# Altium PCB DriverBoard.PcbDoc (continued)
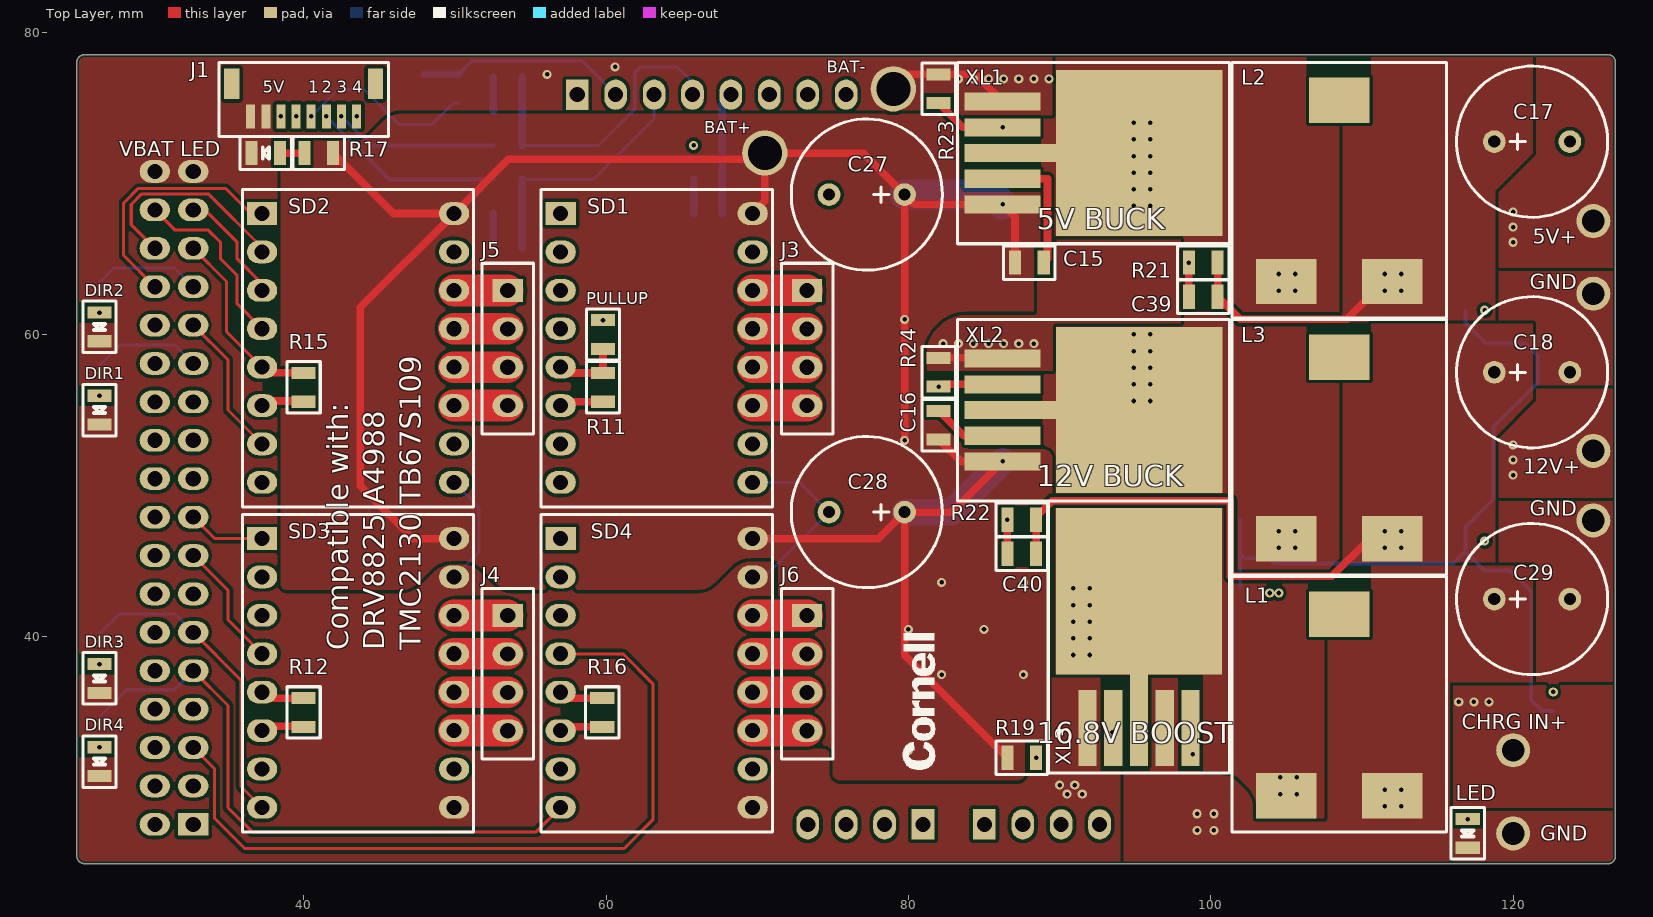
[diagram p0: Top Layer view]
## Part data (continued)
LED "VBAT LED": library part LTST-C171KRKT, "LED RED CLEAR SMD", Emitting Color=Red, Forward Current="30 mA", Forward Voltage="2.4 V", Manufacturer="Vishay Lite-On", Operating Temperature Classification=Industrial, Operating Temp Range="-55C to 85C", Package Type="Chip Led", Power Dissipation="75 W", Reverse Voltage="5 V", Supplier Part Number 1=160-1427-1-ND, Test Current (It)="20 mA", Chip Material=AlGaInP, ComponentLink1Description=http://optoelectronics.liteon.com/upload/download/DS22-2000-109/LTST-C171KRKT.pdf?src-supplier=Digi-Key, ComponentLink1URL=http://optoelectronics.liteon.com/upload/download/DS22-2000-109/LTST-C171KRKT.pdf?src-supplier=Digi-Key, ComponentLink2Description=http://www.mouser.com/ds/2/239/Lite-On-LTST-C171KRKT-187201.pdf?src-supplier=Mouser, ComponentLink2URL=http://www.mouser.com/ds/2/239/Lite-On-LTST-C171KRKT-187201.pdf?src-supplier=Mouser, ComponentLink3Description=http://uk.rs-online.com/webdocs/0dc0/0900766b80dc0550.pdf?src-supplier=RSComponents, ComponentLink3URL=http://uk.rs-online.com/webdocs/0dc0/0900766b80dc0550.pdf?src-supplier=RSComponents, ComponentLink4Description=http://www1.futureelectronics.com/doc/LITE%20ON/LITE-ON%20LTST-C171KRKT.pdf?src-supplier=Future+Electronics, ComponentLink4URL=http://www1.futureelectronics.com/doc/LITE%20ON/LITE-ON%20LTST-C171KRKT.pdf?src-supplier=Future+Electronics, DELETED=Compliant, Dominant Wave Length="631 nm", High Brightness=Yes, Lens Dimensions="1.4x1.25x0.5 mm", Luminous Intensity=54mcd, Lum Intensity=54mcd, Main Category="Chip LED", Manufacturer Part Number=LTST-C171KRKT, Mounting="Surface Mount", Number of  Elements=1, Packaging="Tape and Reel", Peak Wavelength="639 nm", Pin Count=2, Pricing 1="1=0.29, 10=0.215, 100=0.1016, 500=0.0677, 1000=0.0531 (USD)", Product Depth (mm)="1.25 mm", Product Height (mm)="0.8 mm", Product Length (mm)="2 mm", Rad Hardened=No, Shape Type=Rectangular, Stock 1=82154, Supplier 1=Digi-Key, Type=Uni-Color, Viewing Angle="130 deg"
PULLUP R8 R9 R13 R14 R18: library part RNCP0805FTD1K00, "RES 1K OHM 1% 1/4W 0805", Case/Package=0805, Case Code (Metric)=2012, Manufacturer="Stackpole Electronics", Max Operating Temperature=155°C, Max Power Dissipation=250mW, Min Operating Temperature=-55°C, Resistance=1kR, Supplier Part Number 1=RNCP0805FTD1K00DKR-ND, Temperature Coefficient=100ppm/°C, Tolerance=1%, Case Code (Imperial)=0805, Composition="Thin Film", Features="Moisture Resistant,Anti-Sulfur", Height=0.024inch, Lead Free="Lead Free", Length=0.079inch, Manufacturer Part Number=RNCP0805FTD1K00, Mount="Surface Mount", Number of Terminations=2, Packaging="Tape and Reel", Power Rating=250mW, Pricing 1="1=0.1, 10=0.072, 100=0.0277, 1000=0.0122, 2500=0.0105 (USD)", Stock 1=626879, Supplier 1=Digi-Key, Width=0.049inch
R1 R17 R23: library part RC0805FR-073K3L, "RES SMD 3.3K OHM 1% 1/8W 0805", Case Code - in=0805, Case Code - mm=2012, Manufacturer=Yageo, Operating Temperature Range="- 55 C to + 155 C", Package / Case="0805 (2012 metric)", Power Rating="125 mW (1/8 W)", Resistance="3.3 kOhms", Supplier Part Number 1=311-3.30KCRCT-ND, Temperature Coefficient="100 PPM / C", Tolerance="1 %", Voltage Rating="150 V", Brand=Yageo, ComponentLink1Description=http://www.farnell.com/datasheets/2167052.pdf?src-supplier=Element14, ComponentLink1URL=http://www.farnell.com/datasheets/2167052.pdf?src-supplier=Element14, ComponentLink2Description=http://www.yageo.com/documents/recent/PYu-RC_Group_51_RoHS_L_9.pdf?src-supplier=Digi-Key, ComponentLink2URL=http://www.yageo.com/documents/recent/PYu-RC_Group_51_RoHS_L_9.pdf?src-supplier=Digi-Key, ComponentLink3Description=http://www.yageo.com/documents/recent/PYu-RC_Group_51_RoHS_L_10.pdf?src-supplier=Digi-Key, ComponentLink3URL=http://www.yageo.com/documents/recent/PYu-RC_Group_51_RoHS_L_10.pdf?src-supplier=Digi-Key, ComponentLink4Description=http://www.yageo.ru/pdf/RC0805.pdf?src-supplier=Future+Electronics, ComponentLink4URL=http://www.yageo.ru/pdf/RC0805.pdf?src-supplier=Future+Electronics, ComponentLink5Description=http://www.mouser.com/ds/2/447/RC0805-257173.pdf?src-supplier=Mouser, ComponentLink5URL=http://www.mouser.com/ds/2/447/RC0805-257173.pdf?src-supplier=Mouser, Height="0.5 mm", Length="2 mm", Manufacturer Part Number=RC0805FR-073K3L, Packaging=Reel, Pricing 1="1=0.1, 10=0.04, 100=0.0163, 1000=0.0073, 2500=0.0064 (USD)", Product="Thick Film Resistors General Purpose", Product Category="Thick Film Resistors", RoHS=True, Series=RC, Stock 1=641518, Supplier 1=Digi-Key, Termination Style=SMD/SMT, Type="General Purpose Chip Resistor Surface Mount", Unit Weight="0.000194 oz", Width="1.25 mm"
R2 R3 R5 R6 R21: library part RC0805FR-0710KL, "RES SMD 10K OHM 1% 1/8W 0805", Manufacturer=Yageo, Operating Temperature="-55°C ~ 155°C", Package / Case="0805 (2012 Metric)", Power (Watts)="0.125W, 1/8W", Supplier Device Package=0805, Supplier Part Number 1=311-10.0KCRCT-ND, Temperature Coefficient=±100ppm/°C, Tolerance=±1%, Category=Resistors, ComponentLink1Description=http://www.yageo.com/documents/recent/PYu-RC_Group_51_RoHS_L_8.pdf, ComponentLink1URL=http://www.yageo.com/documents/recent/PYu-RC_Group_51_RoHS_L_8.pdf, Composition="Thick Film", Failure Rate=-, Features="Moisture Resistant", Height - Seated (Max)="0.024\" (0.60mm)", Manufacturer Part Number=RC0805FR-0710KL, Packaging="Cut Tape (CT)", Part Status=Active, Pricing 1="1=0.1, 10=0.022, 100=0.0088, 1000=0.00396, 2500=0.00344 (USD)", RoHS="RoHS Compliant", Size / Dimension="0.079\" L x 0.049\" W (2.00mm x 1.25mm)", Stock 1=19497418, Supplier 1=Digi-Key
R4 R7 R19: library part RT0805BRC0720KL, "RES SMD 20K OHM 0.1% 1/8W 0805", Case Code - in=0805, Case Code - mm=2012, Manufacturer=Yageo, Operating Temperature Range="- 55 C to + 125 C", Package / Case="0805 (2012 metric)", Power Rating="125 mW (1/8 W)", Resistance="20 kOhms", Supplier Part Number 1=311-20KNFCT-ND, Temperature Coefficient="15 PPM / C", Tolerance="0.1 %", Voltage Rating="150 V", Brand=Yageo, ComponentLink1Description=http://www.yageo.com/documents/recent/PYu-RT_1-to-0.01_RoHS_L_9.pdf?src-supplier=Digi-Key, ComponentLink1URL=http://www.yageo.com/documents/recent/PYu-RT_1-to-0.01_RoHS_L_9.pdf?src-supplier=Digi-Key, ComponentLink2Description=http://www.mouser.com/ds/2/447/PYu-RT_1-to-0.05_RoHS_L_4-14067.pdf?src-supplier=Mouser, ComponentLink2URL=http://www.mouser.com/ds/2/447/PYu-RT_1-to-0.05_RoHS_L_4-14067.pdf?src-supplier=Mouser, Height="0.5 mm", Length="2 mm", Manufacturer Part Number=RT0805BRC0720KL, Packaging=Reel, Pricing 1="1=0.81, 10=0.674, 100=0.4527, 1000=0.2649, 2500=0.2562 (USD)", Product="Thin Film Resistors SMD", Product Category="Thin Film Resistors - SMD", RoHS=True, Series=RT, Stock 1=3964, Supplier 1=Digi-Key, Termination Style=SMD/SMT, Type="High Precision, High Stability", Unit Weight="0.000194 oz", Width="1.25 mm"
R11 R12 R15 R16: library part RC0805JR-070RL, "RES SMD 0 OHM JUMPER 1/8W 0805", Manufacturer=Yageo, Operating Temperature="-55°C ~ 155°C", Package / Case="0805 (2012 Metric)", Power (Watts)="0.125W, 1/8W", Supplier Device Package=0805, Supplier Part Number 1=311-0.0ARCT-ND, Temperature Coefficient=-, Tolerance=Jumper, Category=Resistors, ComponentLink1Description=http://www.yageo.com/documents/recent/PYu-RC_Group_51_RoHS_L_8.pdf, ComponentLink1URL=http://www.yageo.com/documents/recent/PYu-RC_Group_51_RoHS_L_8.pdf, Composition="Thick Film", Failure Rate=-, Features="Moisture Resistant", Height - Seated (Max)="0.024\" (0.60mm)", Manufacturer Part Number=RC0805JR-070RL, Packaging="Cut Tape (CT)", Part Status=Active, Pricing 1="1=0.1, 10=0.018, 25=0.0128, 50=0.0096, 100=0.0071, 250=0.00544, 500=0.00436, 1000=0.00321 (USD)", RoHS="RoHS Compliant", Size / Dimension="0.079\" L x 0.049\" W (2.00mm x 1.25mm)", Stock 1=699255, Supplier 1=Digi-Key
R20: library part RC0805FR-071K6L, "RES SMD 1.6K OHM 1% 1/8W 0805", Case Code - in=0805, Case Code - mm=2012, Manufacturer=Yageo, Operating Temperature Range="- 55 C to + 155 C", Power Rating="125 mW (1/8 W)", Resistance="1.6 kOhms", Supplier Part Number 1=311-1.60KCRCT-ND, Temperature Coefficient="100 PPM / C", Tolerance="1 %", Voltage Rating="150 V", ComponentLink1Description=http://documents.rs-components.com/techlib://itc_doclist_GB.htm?stockno=6183678&src-supplier=RSComponents, ComponentLink1URL=http://documents.rs-components.com/techlib://itc_doclist_GB.htm?stockno=6183678&src-supplier=RSComponents, Manufacturer Part Number=RC0805FR-071K6L, Packaging=Reel, Pricing 1="1=0.1, 10=0.04, 100=0.0163, 1000=0.0073, 2500=0.0064 (USD)", Product="Thick Film Resistors General Purpose", Series=RC, Stock 1=362810, Supplier 1=Digi-Key, Termination Style=SMD/SMT
R22: library part RC0805FR-0713KL, "RES SMD 13K OHM 1% 1/8W 0805", Manufacturer=Yageo, Operating Temperature="-55°C ~ 155°C", Package / Case="0805 (2012 Metric)", Power (Watts)="0.125W, 1/8W", Resistance (Ohms)=13k, Standard Package=1, Supplier Device Package=0805, Supplier Part Number 1=311-13.0KCRCT-ND, Temperature Coefficient=±100ppm/°C, Tolerance=±1%, Catalog Drawings="Thick Film Resistor Side", Category=Resistors, ComponentLink1Description=http://documents.rs-components.com/techlib://itc_doclist_GB.htm?stockno=6185337&src-supplier=RSComponents, ComponentLink1URL=http://documents.rs-components.com/techlib://itc_doclist_GB.htm?stockno=6185337&src-supplier=RSComponents, ComponentLink2Description=http://www.yageo.com.tw/exep/pages/download/literatures/PYu-R_INT-thick_7.pdf?src-supplier=Digi-Key, ComponentLink2URL=http://www.yageo.com.tw/exep/pages/download/literatures/PYu-R_INT-thick_7.pdf?src-supplier=Digi-Key, ComponentLink3Description=http://www.yageo.com/documents/recent/PYu-RC_Group_51_RoHS_L_9.pdf?src-supplier=Digi-Key, ComponentLink3URL=http://www.yageo.com/documents/recent/PYu-RC_Group_51_RoHS_L_9.pdf?src-supplier=Digi-Key, ComponentLink4Description=http://www.yageo.ru/pdf/RC0805.pdf?src-supplier=Future+Electronics, ComponentLink4URL=http://www.yageo.ru/pdf/RC0805.pdf?src-supplier=Future+Electronics, ComponentLink5Description=https://www.verical.com/server-webapp/html/getDatasheet?partID=329342&src-supplier=Verical, ComponentLink5URL=https://www.verical.com/server-webapp/html/getDatasheet?partID=329342&src-supplier=Verical, Composition="Thick Film", EDA / CAD Models="Download from Accelerated Designs", Family="Chip Resistor - Surface Mount", Features="Moisture Resistant", Height="0.024\" (0.60mm)", HTML Datasheet="RC Series, L Suffix Datasheet.html", Kits="PHC5A-KIT-ND  - RESISTOR KIT 10K-97.6K 1/8W PHC5-KIT-ND  - RESISTOR KIT 10K-97.6K 1/8W", Manufacturer Part Number=RC0805FR-0713KL, Number of Terminations=2, Online Catalog="RC0805 Series", Other Names=311-13.0KCRCT, Packaging="Cut Tape (CT)? ?", PCN Other="RC/AC 0603/0805/1206 22/Jan/2013", Pricing 1="1=0.1, 10=0.04, 100=0.0163, 1000=0.0073, 2500=0.0064 (USD)", Product Training Modules="Chip Resistor", Series=RC, Size / Dimension="0.079\" L x 0.049\" W (2.00mm x 1.25mm)", Stock 1=335103, Supplier 1=Digi-Key
R24: library part RC0805FR-071K5L, "RES SMD 1.5K OHM 1% 1/8W 0805", Manufacturer=Yageo, Power Rating=250mW, Resistance=1.5kohm, Resistance Tolerance="± 1%", Resistor Case Style="0805 [2012 Metric]", Resistor Element Type="Thick Film", Supplier Part Number 1=311-1.50KCRCT-ND, Temperature Coefficient="± 100ppm/°C", Voltage Rating=150V, Automotive Qualification Standard=-, ComponentLink1Description=http://www.yageo.ru/pdf/RC0805.pdf?src-supplier=Future+Electronics, ComponentLink1URL=http://www.yageo.ru/pdf/RC0805.pdf?src-supplier=Future+Electronics, Manufacturer Part Number=RC0805FR-071K5L, MSL="MSL 1 - Unlimited", Packaging="Cut Tape", Pricing 1="1=0.1, 10=0.04, 100=0.0163, 1000=0.0073, 2500=0.0064 (USD)", Product Range="RC Series", Stock 1=2063144, Supplier 1=Digi-Key, SVHC="To Be Advised"
SD1 SD2 SD3 SD4: library part SilentStepStick_BigTreeTech_TMC2130V1.1, "TMC2130, DRV8825, TB67S109, A4988"
XL1 XL2: library part XL4015, "XL Semi Buck Converter, not available in USA"
XL3: library part XL6019, "XL Semi Boost Converter, not available in USA"

## Via types
v1: diameter 0.6, hole 0.3, Top Layer to Bottom Layer, tented both sides, 125 vias

## Nets (pads, with @x,y where several pads share a name; then routed paths per layer and width w, separated by ;. In a path a pad name is that pad's centre, name@x,y a point inside that pad or via, vN(x,y) a via of type N, cw(c..) or ccw(c..) an arc to the next point about the centre after c; other vN are vias at no path point)
5V: FB1.2 J1.3 J2.5V1 J2.5V2 PULLUP.2 SD1.10 SD2.10 SD3.10 SD4.10
  other v1: 103.9,42.9 104.5,42.9 59.8,60.95 38.5,74.425
5V_BUCK_OUT: ACS1.1 ACS1.2 C17.1 C19.2 C20.2 C21.2 C39.2 L2.2 R21.2 | length 15.5
  Top Layer w0.5: R21.2 C39.2 101.95,61 109,61 111.5,63.5 L2.2
  other v1: 111.5,62.9 112.6,62.9 111.5,64 112.6,64
5V_CHARGE: ACS3.3 ACS3.4 C29.1 C36.2 C37.2 C38.2 L1.2 XL3.4
  other v1: 99.1,27.2 100.2,27.2 99.1,28.3 100.2,28.3 111.5,28.8 112.6,28.8 111.5,29.9 112.6,29.9
5V_CHARGING_IN: "CHRG IN+.1" ACS3.1 ACS3.2 R18.2
  other v1: 116.4,35.7 117.4,35.7 118.4,35.7
5V_OUT: 5V+.1 ACS1.3 ACS1.4
  other v1: 120,66.1 120,67.1 120,68.1
12V_BUCK_OUT: ACS2.1 ACS2.2 C18.1 C24.2 C25.2 C26.2 C40.2 L3.2 R22.2 | length 32.5
  Top Layer w0.5: C40.2 R22.2 88.45,47.95 89.5,49 101.3,49 101.3,44 108,44 110.5,46.5 L3.2
  other v1: 111.5,45.9 112.6,45.9 111.5,47 112.6,47
12V_OUT: 12V+.1 ACS2.3 ACS2.4
  other v1: 120,50.7 120,51.7 120,52.7
AIN5: ACS1.7 J2.54 | length 48.1
  Signal Layer 2 w0.203: J2.54 86.04,65.7 114.015,65.7 v1(118.115,61.6)
AIN6: ACS2.7 J2.55 | length 60.9
  Signal Layer 2 w0.203: J2.55 77.4,71.8 77.4,68.8 85.5,60.7 89.1,60.7 90.7,59.1 90.7,55.5 97.6,48.6 115.865,48.6 v1(118.115,46.35)
AIN7: ACS3.7 J2.56 | length 72.2
  Signal Layer 2 w0.203: J2.56 70.8,75.2 72.9,73.1 72.9,66.9 101.9,37.9 121.115,37.9 v1(122.65,36.365)
CHARGE_EN: J2.23 XL3.2 | length 67.8
  Signal Layer 1 w0.203: J2.23 31.5,28.8 33.9,28.8 36.2,26.5 58.6,26.5 62,29.9 87.3,29.9 91.1,33.7 v1(93.5,33.7)
CS1: J2.40 SD1.4 | length 44.4
  Signal Layer 1 w0.203: J2.40 34.5,51.2 34.5,49.8 35.9,48.4 57.4,48.4 61.4,52.4 61.4,58.5 59.52,60.38 SD1.4
CS2: J2.53 SD2.4 | length 12.1
  Top Layer w0.203: J2.53 31.5,66.9 33.7,66.9 34.5,66.1 34.5,65 35.6,63.9 35.6,62.03 SD2.4
CS3: J2.34 SD3.4 | length 8.4
  Top Layer w0.203: J2.34 35,43.08 35,41.13 SD3.4
CS4: J2.24 SD4.4 | length 51.8
  Top Layer w0.203: J2.24 34.1,31.28 34.1,28 36.1,26 61.2,26 63.1,27.9 63.1,36.9 61.12,38.88 SD4.4
DIR1: J2.44 R8.2 SD1.8 | length 39.1
  Signal Layer 1 w0.203: J2.44 35.3,55.48 35.3,50.2 36.7,48.8 55.58,48.8 SD1.8
  Bottom Layer w0.203: R8.2 27.85,59.3 31.48,59.3 J2.44
DIR2: J2.48 R9.2 SD2.8 | length 21.9
  Signal Layer 2 w0.203: J2.48 34.7,61.16 34.7,52.77 SD2.8
  Bottom Layer w0.203: R9.2 27.45,64.4 31.46,64.4 J2.48
DIR3: J2.30 R13.2 SD3.8 | length 20.7
  Top Layer w0.203: J2.30 35.863,37.137 35.863,30.107 SD3.8
  Bottom Layer w0.203: R13.2 27.8,41.5 31.5,41.5 J2.30
DIR4: J2.28 R14.2 SD4.8 | length 40.8
  Top Layer w0.203: J2.28 35,35.46 35,28.7 36.6,27.1 55.38,27.1 SD4.8
  Bottom Layer w0.203: R14.2 28.3,36.5 31.44,36.5 J2.28
EN1: J2.38 SD1.1 | length 54.9
  Signal Layer 1 w0.203: J2.38 35.16,48 61.6,48 65.3,51.7 65.3,59.7 SD1.1
EN2: J2.49 SD2.1 | length 16.6
  Top Layer w0.203: J2.49 28.1,65.22 28.1,68.7 29.068,69.668 34.832,69.668 36.5,68 SD2.1
EN3: J2.36 SD3.1 | length 5.1
  Top Layer w0.203: J2.36 34.12,46.5 SD3.1
EN4: J2.22 SD4.1 | length 40.1
  Signal Layer 1 w0.203: J2.22 33.56,30.14 36.3,27.4 42.1,27.4 45.1,30.4 45.1,42 48.3,45.2 55.7,45.2 SD4.1
FILTERED_5V: ACS1.8 ACS2.8 ACS3.8 C2.2 C3.2 C4.2 FB1.1 | length 56.5
  Bottom Layer w0.254: C2.2 C3.2 ; C4.2 C3.2 ; ACS1.8 116.845,60.755 118.2,59.4 120.8,59.4 121.6,58.6 121.6,56.8 118.7,53.9 118.7,49.1 116.845,47.245 ACS2.8 ; ACS3.8 121.905,35.095 121.2,35.8 121.2,43 119.8,44.4 118.1,44.4 116.845,45.655 ACS2.8 ; C3.2 102.25,45.2 103.85,45.2 FB1.1 116.05,44.85 116.845,45.645 ACS2.8
GND: "VBAT LED.-" ACS1.5 ACS1.6 ACS2.5 ACS2.6 ACS3.5 ACS3.6 BAT-.1 C1.1 C2.1 C3.1 C4.1 C5.1 C6.1 C7.1 C12.1 C13.1 C14.1 C17.2 C18.2 C19.1 C20.1 C21.1 C24.1 C25.1 C26.1 C27.2 C28.2 C29.2 C30.1 C31.1 C32.1 C33.1 C34.1 C36.1 C37.1 C38.1 D8.1 D9.1 DIR1.- DIR2.- DIR3.- DIR4.- GND.1 J1.1 J1.2 J2.GND1 J2.GND2 LED.- R1.2 R3.2 R5.2 R20.1 R23.1 R24.1 SD1.9 SD1.15 SD2.9 SD2.15 SD3.9 SD3.15 SD4.9 SD4.15 XL1.1 XL2.1 XL3.1 | length 39.6
  Top Layer w0.5: BAT-.1 79.95,77.2 R23.1 84.425,77.2 XL1.1 ; R24.1 XL2.1@86.175,58.45
  Bottom Layer w0.203: SD3.15 51.6,45.61 51.6,48.57 SD2.9 ; SD4.15 70.46,43.96 C28.2 72.78,50.22 SD1.9
  Bottom Layer w0.5: C6.1 R5.2 ; R3.2 C5.1 ; C1.1 R1.2
  other v1: 90.5,29.6 91.5,29.6 90,30.2 91,30.2 82.3,59.4 83.3,59.4 84.3,59.4 85.3,59.4 86.3,59.4 87.3,59.4 88.3,59.4 83.3,76.9 84.3,76.9 85.3,76.9 86.3,76.9 87.3,76.9 88.3,76.9 89.3,76.9 56.1,77.2 60.6,77.7
MISO: J2.50 PULLUP.1 R11.2 R12.2 R15.2 R16.2 SD1.5 SD2.5 SD3.5 SD4.5 | length 117.8
  Top Layer w0.203: J2.50 34.9,63.5 34.9,60.19 SD2.5
  Top Layer w0.5: SD2.5@37.15,57.457 R15.2@39.51,57.457 ; SD3.5@37.25,35.94 R12.2@39.61,35.94 ; SD4.5@57,35.94 R16.2@59.36,35.94 ; SD1.5 57.39,57.45 R11.2 PULLUP.1
  Signal Layer 2 w0.203: J2.50 37.4,70.4 58.3,70.4 59.2,69.5 59.2,60.04 SD1.5 ; SD2.5 39,56.09 39,43.691 38.009,42.7 36.6,42.7 35.8,41.9 35.8,37.79 SD3.5 43.69,29.9 53.3,29.9 55.9,32.5 57.9,32.5 59.1,33.7 59.1,35 57.76,36.34 SD4.5
MOSI: J2.51 SD1.2 SD2.2 SD3.2 SD4.2 | length 93.8
  Top Layer w0.203: J2.51 28.6,67.26 28.6,68.6 29.3,69.3 33.7,69.3 37.25,65.75 SD2.2
  Signal Layer 1 w0.203: SD3.2 40.89,47.6 58.2,47.6 58.7,47.1 58.7,45.66 SD4.2 ; SD2.2 38.69,66.9 55.56,66.9 SD1.2
  Signal Layer 2 w0.203: J2.51 27.7,63.24 27.7,45.1 28.84,43.96 SD3.2
NetC1_2: C1.2 J2.57 R1.1 R2.2 | length 8.1
  Bottom Layer w0.5: C1.2 R2.2 67.7,75.3 J2.57
NetC5_2: C5.2 J2.58 R3.1 R4.2 | length 20.6
  Bottom Layer w0.203: R4.2 59.5,72.5 61.9,74.9 61.9,77.313 62.287,77.7 64.7,77.7 65.72,76.68 J2.58
  Bottom Layer w0.5: R4.2 C5.2
NetC6_2: C6.2 J2.59 R5.1 R6.2 | length 16.5
  Bottom Layer w0.203: R6.2 59.15,70.25 63.18,74.28 J2.59
  Bottom Layer w0.5: C6.2 R6.2
NetC7_2: C7.2 J2.60 R7.2 | length 13.9
  Bottom Layer w0.254: R7.2 51.15,78.1 58.4,78.1 J2.60
  Bottom Layer w0.5: C7.2 R7.2
NetC15_1: C15.1 XL1.4 | length 8.6
  Top Layer w0.5: XL1.4 89.2,70.3 89.2,65 C15.1
NetC16_1: C16.1 XL2.4 | length 4.9
  Top Layer w0.5: C16.1 83.65,53.3 XL2.4
NetC39_1: C39.1 R21.1 R23.2 XL1.2 | length 26.6
  Top Layer w0.5: R23.2 83.6,73.7 v1(86.225,73.7) ; C39.1 v1(98.55,64.75)
  Signal Layer 1 w0.203: v1(86.225,73.7) 88.4,71.525 88.4,65.613 89.263,64.75 v1(98.55,64.75)
NetC40_1: C40.1 R22.1 R24.2 XL2.2 | length 17.2
  Top Layer w0.5: v1(82,56.55) 82.15,56.7 XL2.2 ; C40.1 v1(86.55,47.75)
  Signal Layer 2 w0.203: v1(82,56.55) 82,52.3 v1(86.55,47.75)
NetD1_+: DIR1.+ R8.1
  other v1: 26.5,55.95
NetD2_+: DIR2.+ R9.1
  other v1: 26.5,61.45
NetD3_+: DIR3.+ R13.1
  other v1: 26.5,38.2
NetD4_+: DIR4.+ R14.1
  other v1: 26.5,32.7
NetD5_+: "VBAT LED.+" R17.1 | length 1.6
  Top Layer w0.5: 38.45,72 R17.1
NetD6_+: LED.+ R18.1
  other v1: 117,27.95
NetD7_1: D7.1 L1.1 XL3.3
  other v1: 104.6,29.6 105.7,29.6 104.6,30.7 105.7,30.7 90.9,38.8 92,38.8 90.9,39.9 92,39.9 90.9,41 92,41 90.9,42.1 92,42.1 90.9,43.2 92,43.2
NetD8_2: D8.2 L2.1 XL1.3
  other v1: 104.5,62.9 105.6,62.9 104.5,64 105.6,64 94.9,68.5 96,68.5 94.9,69.6 96,69.6 94.9,70.7 96,70.7 94.9,71.8 96,71.8 94.9,72.9 96,72.9 94.9,74 96,74
NetD9_2: D9.2 L3.1 XL2.3
  other v1: 104.5,45.9 105.6,45.9 104.5,47 105.6,47 94.9,55.6 96,55.6 94.9,56.7 96,56.7 94.9,57.8 96,57.8 94.9,58.9 96,58.9 94.9,60 96,60
NetJ1_4: J1.4 J2.61 | length 19.2
  Signal Layer 2 w0.203: v1(39.5,74.425) 40.935,75.86 J2.61
NetJ1_5: J1.5 R7.1 | length 12.3
  Bottom Layer w0.203: v1(40.5,74.425) 42.275,76.2 44,76.2 46.3,73.9 48.5,73.9 49.9,75.3 R7.1 R7.1@50,75.3
NetJ1_6: J1.6 R6.1 | length 12.8
  Bottom Layer w0.254: v1(41.5,74.425) 45.675,70.25 R6.1
NetJ1_7: J1.7 R4.1 | length 10.8
  Bottom Layer w0.254: v1(42.5,74.425) 44.425,72.5 R4.1
NetJ1_8: J1.8 R2.1 | length 23.1
  Signal Layer 2 w0.203: v1(43.5,74.425) 45.425,72.5 v1(65.8,72.5)
NetJ3_1: J3.1 SD1.14 | length 10.8
  Top Layer w2.1: SD1.14 J3.1@73.29,62.92
  Signal Layer 1 w2.1: SD1.14@69.69,62.93 J3.1@73.28,62.93
  Signal Layer 2 w2: SD1.14@69.69,62.93 J3.1@73.28,62.93
NetJ3_2: J3.2 SD1.13 | length 10.8
  Top Layer w2.1: SD1.13 J3.2@73.29,60.38
  Signal Layer 1 w2.1: SD1.13@69.69,60.39 J3.2@73.28,60.39
  Signal Layer 2 w2: SD1.13@69.69,60.39 J3.2@73.28,60.39
NetJ3_3: J3.3 SD1.12 | length 10.8
  Top Layer w2.1: SD1.12 J3.3@73.29,57.84
  Signal Layer 1 w2.1: SD1.12@69.69,57.85 J3.3@73.28,57.85
  Signal Layer 2 w2: SD1.12@69.69,57.85 J3.3@73.28,57.85
NetJ3_4: J3.4 SD1.11 | length 10.8
  Top Layer w2.1: SD1.11 J3.4@73.29,55.3
  Signal Layer 1 w2.1: SD1.11@69.69,55.31 J3.4@73.28,55.31
  Signal Layer 2 w2: SD1.11@69.69,55.31 J3.4@73.28,55.31
NetJ4_1: J4.1 SD3.14 | length 10.6
  Top Layer w2.1: SD3.14 J4.1@53.49,41.42
  Signal Layer 1 w2.1: SD3.14@49.94,41.43 J4.1@53.48,41.43
  Signal Layer 2 w2: SD3.14@49.94,41.43 J4.1@53.48,41.43
NetJ4_2: J4.2 SD3.13 | length 10.6
  Top Layer w2.1: SD3.13 J4.2@53.49,38.88
  Signal Layer 1 w2.1: SD3.13@49.94,38.89 J4.2@53.48,38.89
  Signal Layer 2 w2: SD3.13@49.94,38.89 J4.2@53.48,38.89
NetJ4_3: J4.3 SD3.12 | length 10.6
  Top Layer w2.1: SD3.12 J4.3@53.49,36.34
  Signal Layer 1 w2.1: SD3.12@49.94,36.35 J4.3@53.48,36.35
  Signal Layer 2 w2: SD3.12@49.94,36.35 J4.3@53.48,36.35
NetJ4_4: J4.4 SD3.11 | length 10.6
  Top Layer w2.1: SD3.11 J4.4@53.49,33.8
  Signal Layer 1 w2.1: SD3.11@49.94,33.81 J4.4@53.48,33.81
  Signal Layer 2 w2: SD3.11@49.94,33.81 J4.4@53.48,33.81
NetJ5_1: J5.1 SD2.14 | length 10.6
  Top Layer w1.75: SD2.14 SD2.14@49.96,62.91
  Top Layer w2.1: SD2.14@49.96,62.91 J5.1
  Signal Layer 1 w2.1: SD2.14 J5.1@53.49,62.92
  Signal Layer 2 w2: SD2.14 J5.1@53.49,62.92
NetJ5_2: J5.2 SD2.13 | length 10.6
  Top Layer w2.1: SD2.13 J5.2@53.49,60.38
  Signal Layer 1 w2.1: SD2.13@49.94,60.39 J5.2@53.48,60.39
  Signal Layer 2 w2: SD2.13@49.94,60.39 J5.2@53.48,60.39
NetJ5_3: J5.3 SD2.12 | length 10.6
  Top Layer w2.1: SD2.12 J5.3@53.49,57.84
  Signal Layer 1 w2.1: SD2.12@49.94,57.85 J5.3@53.48,57.85
  Signal Layer 2 w2: SD2.12@49.94,57.85 J5.3@53.48,57.85
NetJ5_4: J5.4 SD2.11 | length 10.6
  Top Layer w2.1: SD2.11 J5.4@53.49,55.3
  Signal Layer 1 w2.1: SD2.11@49.94,55.31 J5.4@53.48,55.31
  Signal Layer 2 w2: SD2.11@49.94,55.31 J5.4@53.48,55.31
NetJ6_1: J6.1 SD4.14 | length 10.8
  Top Layer w2.1: SD4.14 J6.1@73.29,41.42
  Signal Layer 1 w2.1: SD4.14@69.69,41.43 J6.1@73.28,41.43
  Signal Layer 2 w2: SD4.14@69.69,41.43 J6.1@73.28,41.43
NetJ6_2: J6.2 SD4.13 | length 10.8
  Top Layer w2.1: SD4.13 J6.2@73.29,38.88
  Signal Layer 1 w2.1: SD4.13@69.69,38.89 J6.2@73.28,38.89
  Signal Layer 2 w2: SD4.13@69.69,38.89 J6.2@73.28,38.89
NetJ6_3: J6.3 SD4.12 | length 10.8
  Top Layer w2.1: SD4.12 J6.3@73.29,36.34
  Signal Layer 1 w2.1: SD4.12@69.69,36.35 J6.3@73.28,36.35
  Signal Layer 2 w2: SD4.12@69.69,36.35 J6.3@73.28,36.35
NetJ6_4: J6.4 SD4.11 | length 10.8
  Top Layer w2.1: SD4.11 J6.4@73.29,33.8
  Signal Layer 1 w2.1: SD4.11@69.69,33.81 J6.4@73.28,33.81
  Signal Layer 2 w2: SD4.11@69.69,33.81 J6.4@73.28,33.81
NetR11_1: R11.1 SD1.6 | length 2.9
  Top Layer w0.5: SD1.6 57.25,55.55 R11.1
NetR12_1: R12.1 SD3.6 | length 2.5
  Top Layer w0.5: SD3.6@37.25,34.1 R12.1@39.75,34.1
NetR15_1: R15.1 SD2.6 | length 2.5
  Top Layer w0.5: SD2.6@37.25,55.6 R15.1@39.75,55.6
NetR16_1: R16.1 SD4.6 | length 2.9
  Top Layer w0.5: SD4.6 57.25,34.05 R16.1
NetR19_1: R19.1 R20.2 XL3.5 | length 10.5
  Signal Layer 2 w0.203: v1(88.45,32) 88.7,32.25 v1(98.8,32.25)
SCK: J2.52 SD1.3 SD2.3 SD3.3 SD4.3 | length 79.7
  Top Layer w0.203: J2.52 33.46,68.24 35.6,66.1 35.6,65 37.25,63.35 SD2.3
  Signal Layer 1 w0.203: SD2.3 40.862,66.532 53.388,66.532 SD1.3
  Signal Layer 2 w0.203: SD3.3 39.4,43.57 39.4,60.77 SD2.3 ; SD4.3 59.4,43.82 59.4,47.7 58.4,48.7 56.3,48.7 55.4,49.6 55.4,61.32 SD1.3
STP1: J2.5 SD1.7 | length 39.3
  Signal Layer 2 w0.203: SD1.7 61.36,48.4 72.2,48.4 75.88,44.72 J2.5
STP2: J2.46 SD2.7 | length 9.7
  Top Layer w0.203: J2.46 35,58.32 35,55.01 SD2.7
STP3: J2.11 SD3.7 | length 58.6
  Signal Layer 2 w0.203: SD3.7 43.01,25.5 90.544,25.5 J2.11
STP4: J2.6 SD4.7 | length 24.2
  Signal Layer 2 w0.203: SD4.7 62.16,26.1 76.92,26.1 J2.6
VBAT: BAT+.1 C12.2 C13.2 C14.2 C15.2 C16.2 C27.1 C28.1 C30.2 C31.2 C32.2 C33.2 C34.2 D7.2 R17.2 R19.2 SD1.16 SD2.16 SD3.16 SD4.16 XL1.5 XL2.5 | length 203.2
  Top Layer w0.5: R17.2 45.95,68 SD2.16 ; SD3.16 47.25,46.5 43.75,50 43.75,61.8 SD2.16 ; SD4.16 78,46.5 C28.1 ; SD1.16 70.5,68.8 BAT+.1 ; v1(79.75,53) v1(79.75,61) C27.1 ; C16.2 83.45,51.6 v1(86.225,51.6) 82.875,48.25 C28.1 ; R19.2 79.75,38.8 C28.1 ; C15.2 87.05,67.775 v1(86.225,68.6) 80.4,68.6 C27.1 ; SD2.16 53.55,71.6 70.1,71.6 BAT+.1 ; BAT+.1 77,72 C27.1
  Signal Layer 1 w1.75: SD4.16 69.7,46.46 77.96,46.46 C28.1
  Signal Layer 1 w2: v1(79.75,53) 84.825,53 v1(86.225,51.6)
  Signal Layer 2 w1.75: SD3.16 48.8,46.5 46.1,49.2 46.1,65.5 48.6,68 SD2.16
  Bottom Layer w1.75: C28.1 82.875,48.25 v1(86.225,51.6)
  Bottom Layer w2: C27.1 85.575,69.25 v1(86.225,68.6)
  other v1: 80,32.5 82.2,37.5 87.6,37.5 80,40.5 85,40.5 82.2,43.6 87.6,43.6
pads on no net: J1. J2.4 J2.7 J2.8 J2.9 J2.10 J2.25 J2.26 J2.27 J2.29 J2.31 J2.32 J2.33 J2.35 J2.37 J2.39 J2.41 J2.42 J2.43 J2.45 J2.47 L1. L2. L3.

## Polygon pours and split planes (outlines as drawn)
GND on Top Layer "GND_L01_P032" (solid, remove dead copper, pour order 32): 25,70.5 38.5,70.5 38.5,45.2 71.1,45.2 71.1,25 25,25
5V_OUT on Top Layer "5V_OUT_L01_P022" (solid, remove dead copper, pour order 22): 121.3,78.5 126.8,78.5 126.8,64.4 118.8,64.4 118.8,69.5 121.3,72
NetD9_2 on Top Layer "NETD9_2_L01_P010" (solid, remove dead copper, pour order 10): 88.9,61.5 106.3,61.5 106.3,57.1 106.6,56.8 108.5,56.8 108.5,44.3 101.2,44.3 101.2,48.8 88.9,48.8
NetD8_2 on Top Layer "NETD8_2_L01_P008" (solid, remove dead copper, pour order 8): 88.8,78.5 106.3,78.5 106.3,73.8 108.5,73.8 108.5,61.3 101.8,61.3 101.2,61.9 101.2,65.8 98.1,65.8 98.1,66.5 88.8,66.5
GND on Top Layer "GND_L01_P006" (solid, remove dead copper, pour order 6): 87.7,37.3 92.7,37.3 92.7,31.1 94,31.1 94,25 68.5,25 68.5,32.6 74.8,32.6 74.8,30.993 ccw(c75.493,30.993) 75.493,30.3 87.207,30.3 ccw(c87.207,30.793) 87.7,30.793
GND on Top Layer "GND_L01_P004" (solid, remove dead copper, pour order 4): 81,61.475 81,57.6 89.797,57.6 89.8,60.5 98,60.5 98,66.5 89.8,66.5 89.8,63.6 88.3,63.6 88.3,61.5
GND on Top Layer "GND_L01_P002" (solid, remove dead copper, pour order 2): 25,70 38.5,70 38.5,70.75 40.6,70.75 40.6,73 45.75,73 45.75,74.5 80.9,74.5 80.9,76 83.2,76 83.2,74.5 89.5,74.5 89.5,78.5 25,78.5
VBAT on Top Layer "VBAT_L01_P000" (solid, remove dead copper, pour order 0): 40.6,72.8 40.6,71.1 38.5,71.1 38.5,43.5 ccw(c38.9,43.5) 38.9,43.1 46.417,43.1 ccw(c46.417,44.749) 47.583,43.583 48.482,44.482 cw(c49.732,43.232) 49.732,45 50.567,45 cw(c50.568,43.232) 51.818,44.482 52.746,43.554 ccw(c53.841,44.649) 53.841,43.1 66.017,43.1 ccw(c66.017,44.749) 67.183,43.583 68.282,44.682 cw(c69.532,43.432) 69.532,45.2 70.841,45.2 cw(c70.841,44.641) 71.4,44.641 71.4,32.8 74.482,32.8 cw(c74.482,32.282) 75,32.282 75,31 ccw(c75.5,31) 75.5,30.5 87.2,30.5 ccw(c87.2,31) 87.7,31 87.7,33.2 88.8,33.2 ccw(c88.8,33.65) 89.25,33.65 89.25,43.95 ccw(c88.6,43.95) 88.6,44.6 86,44.6 86,48.7 89.5,48.7 89.5,51.8 ccw(c88.9,51.8) 88.9,52.4 83.95,52.4 81.95,54.4 81,54.4 81,58.876 cw(c83.231,58.876) 81.654,60.454 82.005,60.805 cw(c83.683,59.127) 83.683,61.5 88.3,61.5 88.3,65.8 88.9,65.8 88.9,69.4 83.9,69.4 cw(c83.9,69.9) 83.4,69.9 83.4,72.859 ccw(c82.335,72.859) 83.088,73.612 82.341,74.359 ccw(c81.759,73.776) 81.759,74.6 46.524,74.6 ccw(c46.524,72.731) 45.203,74.053 44.297,73.147 cw(c43.459,73.986) 43.459,72.8
12V_BUCK_OUT on Top Layer "12V_BUCK_OUT_L01_P016" (solid, remove dead copper, pour order 16): 108.7,56.9 108.7,44.9 118.8,44.9 118.8,53.2 121.3,55.7 121.3,60.7 110.6,60.7 110.6,56.9
5V_BUCK_OUT on Top Layer "5V_BUCK_OUT_L01_P018" (solid, remove dead copper, pour order 18): 108.7,73.9 108.7,60.8 118.8,60.8 118.8,69.5 121.3,72 121.3,78.5 110.6,78.5 110.6,73.9
12V_OUT on Top Layer "12V_OUT_L01_P024" (solid, remove dead copper, pour order 24): 126.8,56.4 126.8,49.2 118.8,49.2 118.8,53.2 121.3,55.7 121.3,56.4
GND on Top Layer "GND_L01_P028" (solid, remove dead copper, pour order 28): 118.8,64.4 126.8,64.4 126.8,56.4 121.3,56.4 121.3,60.7 118.8,60.7
NetD7_1 on Top Layer "NETD7_1_L01_P012" (solid, remove dead copper, pour order 12): 89.7,48.6 100.9,48.6 100.9,43.7 106.4,43.7 106.4,43.1 107.5,43.1 107.5,28 103,28 103,28.768 ccw(c101.232,28.768) 102.482,30.018 101.918,30.582 ccw(c100.668,29.332) 100.668,31.1 99.5,31.1 99.5,37.5 89.7,37.5
5V_CHARGE on Top Layer "5V_CHARGE_L01_P014" (solid, remove dead copper, pour order 14): 97.8,37.5 97.8,31.1 102.9,31.1 102.9,27.9 107.4,27.9 107.4,39.9 110.6,39.9 110.6,44.7 121.3,44.7 121.3,37 115.8,37 115.8,25 94.2,25 94.2,31.1 96,31.1 96,37.5
5V_CHARGING_IN on Top Layer "5V_CHARGING_IN_L01_P020" (solid, remove dead copper, pour order 20): 115.8,36.8 115.8,28.7 126.8,28.7 126.8,36.8
GND on Top Layer "GND_L01_P026" (solid, remove dead copper, pour order 26): 118.8,49.1 126.8,49.1 126.8,35.9 121.3,35.9 121.3,44.7 118.8,44.7
GND on Top Layer "GND_L01_P030" (solid, remove dead copper, pour order 30): 115.8,27.3 118.1,27.3 118.1,28.7 126.8,28.7 126.8,25 115.8,25
GND on Signal Layer 1 "GND_L02_P062" (solid, remove dead copper, pour order 62): 24.941,59 24.941,78.478 100,78.478 100,59
GND on Signal Layer 1 "GND_L02_P060" (solid, remove dead copper, pour order 60): 118.8,63.8 126.8,63.8 126.8,56.4 121.3,56.4 121.3,60.7 118.8,60.7
GND on Signal Layer 1 "GND_L02_P058" (solid, remove dead copper, pour order 58): 118.8,48.8 126.8,48.8 126.8,36.9 126.7,37 121.3,37 121.3,44.7 118.8,44.7
GND on Signal Layer 1 "GND_L02_P056" (solid, remove dead copper, pour order 56): 115.8,27.3 118.1,27.3 118.1,37.6 126.8,37.6 126.8,25 115.8,25
5V_BUCK_OUT on Signal Layer 1 "5V_BUCK_OUT_L02_P050" (solid, remove dead copper, pour order 50): 108.7,60.8 118.8,60.8 118.8,69.5 121.3,72 121.3,78.5 108.7,78.5
5V_CHARGE on Signal Layer 1 "5V_CHARGE_L02_P048" (solid, remove dead copper, pour order 48): 97.8,37.5 97.8,31.1 99.7,31.1 99.7,44.7 121.3,44.7 121.3,37 115.8,37 115.8,25 94.2,25 94.2,31.1 96,31.1 96,37.5
5V_OUT on Signal Layer 1 "5V_OUT_L02_P044" (solid, remove dead copper, pour order 44): 121.3,78.5 126.8,78.5 126.8,63.8 119,63.8 119,69.7 121.3,72
NetD8_2 on Signal Layer 1 "NETD8_2_L02_P040" (solid, remove dead copper, pour order 40): 89.7,78.5 108.5,78.5 108.5,61.3 99.6,61.3 99.6,65.8 89.7,65.8
NetD9_2 on Signal Layer 1 "NETD9_2_L02_P038" (solid, remove dead copper, pour order 38): 89.7,61.5 108.5,61.5 108.5,44.3 99.3,44.3 99.3,48.8 89.7,48.8
VBAT on Signal Layer 1 "VBAT_L02_P036" (solid, remove dead copper, pour order 36): 39.2,73.9 39.2,66.8 81.6,66.8 81.6,70.5 78.2,73.9
5V on Signal Layer 1 "5V_L02_P034" (solid, remove dead copper, pour order 34): 25,25 25,66.8 33.8,66.8 35.2,68.2 35.2,74.964 39.2,74.964 39.2,66.8 81.53,66.8 81.482,59.47 82.248,58.7 89.9,58.7 105.1,43.5 105.1,35.7 94.4,25
12V_OUT on Signal Layer 1 "12V_OUT_L02_P042" (solid, remove dead copper, pour order 42): 126.8,56.4 126.8,48.8 118.8,48.8 118.8,53.2 121.3,55.7 121.3,56.4
5V_CHARGING_IN on Signal Layer 1 "5V_CHARGING_IN_L02_P046" (solid, remove dead copper, pour order 46): 115.8,36.8 115.8,28.7 124.2,28.7 124.2,36.8
12V_BUCK_OUT on Signal Layer 1 "12V_BUCK_OUT_L02_P052" (solid, remove dead copper, pour order 52): 108.7,44.9 118.8,44.9 118.8,53.2 121.3,55.7 121.3,60.7 108.7,60.7
GND on Bottom Layer "GND_L04_P084" (solid, remove dead copper, pour order 84): 25,78.5 25,25 127,25 127,78.6
5V_BUCK_OUT on Bottom Layer "5V_BUCK_OUT_L04_P072" (solid, remove dead copper, pour order 72): 113.5,77.6 113.5,65.7 118.7,65.7 118.7,67.9 120.4,69.6 120.4,73.7 116.5,77.6
5V_OUT on Bottom Layer "5V_OUT_L04_P074" (solid, remove dead copper, pour order 74): 118.7,65.7 118.7,67.9 120.3,69.5 126.7,69.5 126.7,65.7
12V_BUCK_OUT on Bottom Layer "12V_BUCK_OUT_L04_P076" (solid, remove dead copper, pour order 76): 113.7,60.6 113.7,49.4 111.9,47.6 110.8,47.6 110.8,45.1 116.2,45.1 116.845,45.745 116.845,47.245 118.8,49.2 118.8,54.6 118.9,54.6 121.8,57.5 121.8,58.4 120.8,59.4 118.2,59.4 117,60.6
12V_OUT on Bottom Layer "12V_OUT_L04_P078" (solid, remove dead copper, pour order 78): 118.8,54 121.3,56.5 126.8,56.5 126.8,49.5 118.8,49.5
5V_CHARGE on Bottom Layer "5V_CHARGE_L04_P080" (solid, remove dead copper, pour order 80): 113.6,32.3 115.4,32.3 115.4,37.2 121.1,37.2 121.1,43.1 118.555,45.645 114.645,45.645 113.6,44.6
5V_CHARGING_IN on Bottom Layer "5V_CHARGING_IN_L04_P082" (solid, remove dead copper, pour order 82): 115.4,37.2 115.4,29.4 123.2,29.4 123.2,34.7 122.3,34.7 121.2,35.8 121.2,37.2
VBAT on Bottom Layer "VBAT_L04_P066" (solid, remove dead copper, pour order 66): 78.4,70.2 78.4,30.6 81.2,30.6 81.2,36.3 88.6,36.3 88.6,44.6 81.2,44.6 81.2,70.2
NetD7_1 on Bottom Layer "NETD7_1_L04_P054" (solid, remove dead copper, pour order 54): 89.8,43.9 89.8,32.5 93.2,29.1 106.3,29.1 106.3,31.2 98.3,31.2 92.9,36.6 92.9,43.9
GND on Signal Layer 2 "GND_L03_P070" (solid, remove dead copper, pour order 70): 25,78.5 25,25 126.8,25 126.8,78.5

## Other copper
Top Layer:
  pour cut-out: 37.25,57.84 37.25,55.3 41.059,55.3 41.059,57.84
  pour cut-out: 58.741,61.2 58.785,57.45 57.7,57.45 57.7,55.3 60.809,55.3 60.809,61.2
  pour cut-out: 37.25,36.34 37.25,33.8 41.059,33.8 41.059,36.34
  pour cut-out: 57,36.34 57,33.8 60.809,33.8 60.809,36.34
  pour cut-out: 24.996,38.9 24.996,37.5 27.6,37.5 27.6,38.9
  pour cut-out: 24.996,33.4 24.996,32 27.6,32 27.6,33.4
  pour cut-out: 24.996,56.65 24.996,55.25 27.6,55.25 27.6,56.65
  pour cut-out: 24.996,62.15 24.996,60.75 27.6,60.75 27.6,62.15

## Silkscreen, mask and mechanical layers (free items; w line width, h text height)
Top Overlay:
  drawing of 7 lines, arcs and shapes, not listed
  text "5V" at 37.3,76 h0.8
  text "1" at 40.3,76 h0.8
  text "2" at 41.2,76 h0.8
  text "3" at 42.2,76 h0.8
  text "4" at 43.2,76 h0.8
  text "5V BUCK" at 88.5,66.5 h2.4
  text "12V BUCK" at 88.5,49.5 h2.4
  text "Compatible with: / DRV8825 A4988 / TMC2130 TB67S109" at 48.2,39.1 h2.4 r90
  text "16.8V BOOST" at 88.5,32.5 h2.4
Bottom Overlay:
  drawing of 23 lines, arcs and shapes, not listed
  text "For Mobile Robot Platforms / Quad Stepper Drivers + Triple DC/DC Converters / Arduino MEGA 2560 Compatible" at 64.1,65.5 h2.1 r90
Top Solder:
  drawing of 13 lines, arcs and shapes, not listed
Bottom Solder:
  drawing of 41 lines, arcs and shapes, not listed
  text "Kowin Shi 2019" at 67.4,65.6 h4.25 r90
Board Outline:
  lines w0.254: 25,25.469 ccw(c25.469,25.469) 25.469,25 126.3,25 ccw(c126.3,25.45) 126.75,25.45 126.75,78.05 ccw(c126.3,78.05) 126.3,78.5 25.523,78.5 ccw(c25.523,77.977) 25,77.977 25,25.469
Mechanical Drawing:
  lines w0.254: 25,25.469 ccw(c25.469,25.469) 25.469,25 126.3,25 ccw(c126.3,25.45) 126.75,25.45 126.75,78.05 ccw(c126.3,78.05) 126.3,78.5 25.523,78.5 ccw(c25.523,77.977) 25,77.977 25,25.469

## Dimensions
25,77.977 to 126.75,78.05 on Mechanical Drawing
126.3,78.5 to 126.3,25 on Mechanical Drawing